# Allegro board LED_FIN.brd (continued)
## Nets (continued)
ROW_OUT_B10: D5371.3(ANODE) D5372.3(ANODE) D5373.3(ANODE) D5374.3(ANODE) D5375.3(ANODE) D5376.3(ANODE) D5377.3(ANODE) D5378.3(ANODE) D5379.3(ANODE) D5380.3(ANODE) D5381.3(ANODE) D5382.3(ANODE) D5383.3(ANODE) D5384.3(ANODE) D5385.3(ANODE) D5386.3(ANODE) D5387.3(ANODE) D5388.3(ANODE) D5389.3(ANODE) D5390.3(ANODE) D5391.3(ANODE) D5392.3(ANODE) D5393.3(ANODE) D5394.3(ANODE) D5395.3(ANODE) D5396.3(ANODE) D5397.3(ANODE) D5398.3(ANODE) D5399.3(ANODE) D5400.3(ANODE) D6511.3(ANODE) D6512.3(ANODE) D6513.3(ANODE) D6514.3(ANODE) D6515.3(ANODE) D6516.3(ANODE) D6517.3(ANODE) D6518.3(ANODE) D6519.3(ANODE) D6520.3(ANODE) D6521.3(ANODE) D6522.3(ANODE) D6523.3(ANODE) D6524.3(ANODE) D6525.3(ANODE) D6526.3(ANODE) D6527.3(ANODE) D6528.3(ANODE) D6529.3(ANODE) D6530.3(ANODE) D6531.3(ANODE) D6532.3(ANODE) D6533.3(ANODE) D6534.3(ANODE) D6535.3(ANODE) D6536.3(ANODE) D6537.3(ANODE) D6538.3(ANODE) D6539.3(ANODE) D6540.3(ANODE) D7651.3(ANODE) D7652.3(ANODE) D7653.3(ANODE) D7654.3(ANODE) D7655.3(ANODE) D7656.3(ANODE) D7657.3(ANODE) D7658.3(ANODE) D7659.3(ANODE) D7660.3(ANODE) D7661.3(ANODE) D7662.3(ANODE) D7663.3(ANODE) D7664.3(ANODE) D7665.3(ANODE) D7666.3(ANODE) D7667.3(ANODE) D7668.3(ANODE) D7669.3(ANODE) D7670.3(ANODE) D7671.3(ANODE) D7672.3(ANODE) D7673.3(ANODE) D7674.3(ANODE) D7675.3(ANODE) D7676.3(ANODE) D7677.3(ANODE) D7678.3(ANODE) D7679.3(ANODE) D7680.3(ANODE) D8791.3(ANODE) D8792.3(ANODE) D8793.3(ANODE) D8794.3(ANODE) D8795.3(ANODE) D8796.3(ANODE) D8797.3(ANODE) D8798.3(ANODE) D8799.3(ANODE) D8800.3(ANODE) D8801.3(ANODE) D8802.3(ANODE) D8803.3(ANODE) D8804.3(ANODE) D8805.3(ANODE) D8806.3(ANODE) D8807.3(ANODE) D8808.3(ANODE) D8809.3(ANODE) D8810.3(ANODE) D8811.3(ANODE) D8812.3(ANODE) D8813.3(ANODE) D8814.3(ANODE) D8815.3(ANODE) D8816.3(ANODE) D8817.3(ANODE) D8818.3(ANODE) D8819.3(ANODE) D8820.3(ANODE) U66.1(DRAIN)
ROW_OUT_B11: D5341.3(ANODE) D5342.3(ANODE) D5343.3(ANODE) D5344.3(ANODE) D5345.3(ANODE) D5346.3(ANODE) D5347.3(ANODE) D5348.3(ANODE) D5349.3(ANODE) D5350.3(ANODE) D5351.3(ANODE) D5352.3(ANODE) D5353.3(ANODE) D5354.3(ANODE) D5355.3(ANODE) D5356.3(ANODE) D5357.3(ANODE) D5358.3(ANODE) D5359.3(ANODE) D5360.3(ANODE) D5361.3(ANODE) D5362.3(ANODE) D5363.3(ANODE) D5364.3(ANODE) D5365.3(ANODE) D5366.3(ANODE) D5367.3(ANODE) D5368.3(ANODE) D5369.3(ANODE) D5370.3(ANODE) D6481.3(ANODE) D6482.3(ANODE) D6483.3(ANODE) D6484.3(ANODE) D6485.3(ANODE) D6486.3(ANODE) D6487.3(ANODE) D6488.3(ANODE) D6489.3(ANODE) D6490.3(ANODE) D6491.3(ANODE) D6492.3(ANODE) D6493.3(ANODE) D6494.3(ANODE) D6495.3(ANODE) D6496.3(ANODE) D6497.3(ANODE) D6498.3(ANODE) D6499.3(ANODE) D6500.3(ANODE) D6501.3(ANODE) D6502.3(ANODE) D6503.3(ANODE) D6504.3(ANODE) D6505.3(ANODE) D6506.3(ANODE) D6507.3(ANODE) D6508.3(ANODE) D6509.3(ANODE) D6510.3(ANODE) D7621.3(ANODE) D7622.3(ANODE) D7623.3(ANODE) D7624.3(ANODE) D7625.3(ANODE) D7626.3(ANODE) D7627.3(ANODE) D7628.3(ANODE) D7629.3(ANODE) D7630.3(ANODE) D7631.3(ANODE) D7632.3(ANODE) D7633.3(ANODE) D7634.3(ANODE) D7635.3(ANODE) D7636.3(ANODE) D7637.3(ANODE) D7638.3(ANODE) D7639.3(ANODE) D7640.3(ANODE) D7641.3(ANODE) D7642.3(ANODE) D7643.3(ANODE) D7644.3(ANODE) D7645.3(ANODE) D7646.3(ANODE) D7647.3(ANODE) D7648.3(ANODE) D7649.3(ANODE) D7650.3(ANODE) D8761.3(ANODE) D8762.3(ANODE) D8763.3(ANODE) D8764.3(ANODE) D8765.3(ANODE) D8766.3(ANODE) D8767.3(ANODE) D8768.3(ANODE) D8769.3(ANODE) D8770.3(ANODE) D8771.3(ANODE) D8772.3(ANODE) D8773.3(ANODE) D8774.3(ANODE) D8775.3(ANODE) D8776.3(ANODE) D8777.3(ANODE) D8778.3(ANODE) D8779.3(ANODE) D8780.3(ANODE) D8781.3(ANODE) D8782.3(ANODE) D8783.3(ANODE) D8784.3(ANODE) D8785.3(ANODE) D8786.3(ANODE) D8787.3(ANODE) D8788.3(ANODE) D8789.3(ANODE) D8790.3(ANODE) U65.1(DRAIN)
ROW_OUT_B12: D5311.3(ANODE) D5312.3(ANODE) D5313.3(ANODE) D5314.3(ANODE) D5315.3(ANODE) D5316.3(ANODE) D5317.3(ANODE) D5318.3(ANODE) D5319.3(ANODE) D5320.3(ANODE) D5321.3(ANODE) D5322.3(ANODE) D5323.3(ANODE) D5324.3(ANODE) D5325.3(ANODE) D5326.3(ANODE) D5327.3(ANODE) D5328.3(ANODE) D5329.3(ANODE) D5330.3(ANODE) D5331.3(ANODE) D5332.3(ANODE) D5333.3(ANODE) D5334.3(ANODE) D5335.3(ANODE) D5336.3(ANODE) D5337.3(ANODE) D5338.3(ANODE) D5339.3(ANODE) D5340.3(ANODE) D6451.3(ANODE) D6452.3(ANODE) D6453.3(ANODE) D6454.3(ANODE) D6455.3(ANODE) D6456.3(ANODE) D6457.3(ANODE) D6458.3(ANODE) D6459.3(ANODE) D6460.3(ANODE) D6461.3(ANODE) D6462.3(ANODE) D6463.3(ANODE) D6464.3(ANODE) D6465.3(ANODE) D6466.3(ANODE) D6467.3(ANODE) D6468.3(ANODE) D6469.3(ANODE) D6470.3(ANODE) D6471.3(ANODE) D6472.3(ANODE) D6473.3(ANODE) D6474.3(ANODE) D6475.3(ANODE) D6476.3(ANODE) D6477.3(ANODE) D6478.3(ANODE) D6479.3(ANODE) D6480.3(ANODE) D7591.3(ANODE) D7592.3(ANODE) D7593.3(ANODE) D7594.3(ANODE) D7595.3(ANODE) D7596.3(ANODE) D7597.3(ANODE) D7598.3(ANODE) D7599.3(ANODE) D7600.3(ANODE) D7601.3(ANODE) D7602.3(ANODE) D7603.3(ANODE) D7604.3(ANODE) D7605.3(ANODE) D7606.3(ANODE) D7607.3(ANODE) D7608.3(ANODE) D7609.3(ANODE) D7610.3(ANODE) D7611.3(ANODE) D7612.3(ANODE) D7613.3(ANODE) D7614.3(ANODE) D7615.3(ANODE) D7616.3(ANODE) D7617.3(ANODE) D7618.3(ANODE) D7619.3(ANODE) D7620.3(ANODE) D8731.3(ANODE) D8732.3(ANODE) D8733.3(ANODE) D8734.3(ANODE) D8735.3(ANODE) D8736.3(ANODE) D8737.3(ANODE) D8738.3(ANODE) D8739.3(ANODE) D8740.3(ANODE) D8741.3(ANODE) D8742.3(ANODE) D8743.3(ANODE) D8744.3(ANODE) D8745.3(ANODE) D8746.3(ANODE) D8747.3(ANODE) D8748.3(ANODE) D8749.3(ANODE) D8750.3(ANODE) D8751.3(ANODE) D8752.3(ANODE) D8753.3(ANODE) D8754.3(ANODE) D8755.3(ANODE) D8756.3(ANODE) D8757.3(ANODE) D8758.3(ANODE) D8759.3(ANODE) D8760.3(ANODE) U64.1(DRAIN)
ROW_OUT_B13: D5281.3(ANODE) D5282.3(ANODE) D5283.3(ANODE) D5284.3(ANODE) D5285.3(ANODE) D5286.3(ANODE) D5287.3(ANODE) D5288.3(ANODE) D5289.3(ANODE) D5290.3(ANODE) D5291.3(ANODE) D5292.3(ANODE) D5293.3(ANODE) D5294.3(ANODE) D5295.3(ANODE) D5296.3(ANODE) D5297.3(ANODE) D5298.3(ANODE) D5299.3(ANODE) D5300.3(ANODE) D5301.3(ANODE) D5302.3(ANODE) D5303.3(ANODE) D5304.3(ANODE) D5305.3(ANODE) D5306.3(ANODE) D5307.3(ANODE) D5308.3(ANODE) D5309.3(ANODE) D5310.3(ANODE) D6421.3(ANODE) D6422.3(ANODE) D6423.3(ANODE) D6424.3(ANODE) D6425.3(ANODE) D6426.3(ANODE) D6427.3(ANODE) D6428.3(ANODE) D6429.3(ANODE) D6430.3(ANODE) D6431.3(ANODE) D6432.3(ANODE) D6433.3(ANODE) D6434.3(ANODE) D6435.3(ANODE) D6436.3(ANODE) D6437.3(ANODE) D6438.3(ANODE) D6439.3(ANODE) D6440.3(ANODE) D6441.3(ANODE) D6442.3(ANODE) D6443.3(ANODE) D6444.3(ANODE) D6445.3(ANODE) D6446.3(ANODE) D6447.3(ANODE) D6448.3(ANODE) D6449.3(ANODE) D6450.3(ANODE) D7561.3(ANODE) D7562.3(ANODE) D7563.3(ANODE) D7564.3(ANODE) D7565.3(ANODE) D7566.3(ANODE) D7567.3(ANODE) D7568.3(ANODE) D7569.3(ANODE) D7570.3(ANODE) D7571.3(ANODE) D7572.3(ANODE) D7573.3(ANODE) D7574.3(ANODE) D7575.3(ANODE) D7576.3(ANODE) D7577.3(ANODE) D7578.3(ANODE) D7579.3(ANODE) D7580.3(ANODE) D7581.3(ANODE) D7582.3(ANODE) D7583.3(ANODE) D7584.3(ANODE) D7585.3(ANODE) D7586.3(ANODE) D7587.3(ANODE) D7588.3(ANODE) D7589.3(ANODE) D7590.3(ANODE) D8701.3(ANODE) D8702.3(ANODE) D8703.3(ANODE) D8704.3(ANODE) D8705.3(ANODE) D8706.3(ANODE) D8707.3(ANODE) D8708.3(ANODE) D8709.3(ANODE) D8710.3(ANODE) D8711.3(ANODE) D8712.3(ANODE) D8713.3(ANODE) D8714.3(ANODE) D8715.3(ANODE) D8716.3(ANODE) D8717.3(ANODE) D8718.3(ANODE) D8719.3(ANODE) D8720.3(ANODE) D8721.3(ANODE) D8722.3(ANODE) D8723.3(ANODE) D8724.3(ANODE) D8725.3(ANODE) D8726.3(ANODE) D8727.3(ANODE) D8728.3(ANODE) D8729.3(ANODE) D8730.3(ANODE) U63.1(DRAIN)
ROW_OUT_B14: D5251.3(ANODE) D5252.3(ANODE) D5253.3(ANODE) D5254.3(ANODE) D5255.3(ANODE) D5256.3(ANODE) D5257.3(ANODE) D5258.3(ANODE) D5259.3(ANODE) D5260.3(ANODE) D5261.3(ANODE) D5262.3(ANODE) D5263.3(ANODE) D5264.3(ANODE) D5265.3(ANODE) D5266.3(ANODE) D5267.3(ANODE) D5268.3(ANODE) D5269.3(ANODE) D5270.3(ANODE) D5271.3(ANODE) D5272.3(ANODE) D5273.3(ANODE) D5274.3(ANODE) D5275.3(ANODE) D5276.3(ANODE) D5277.3(ANODE) D5278.3(ANODE) D5279.3(ANODE) D5280.3(ANODE) D6391.3(ANODE) D6392.3(ANODE) D6393.3(ANODE) D6394.3(ANODE) D6395.3(ANODE) D6396.3(ANODE) D6397.3(ANODE) D6398.3(ANODE) D6399.3(ANODE) D6400.3(ANODE) D6401.3(ANODE) D6402.3(ANODE) D6403.3(ANODE) D6404.3(ANODE) D6405.3(ANODE) D6406.3(ANODE) D6407.3(ANODE) D6408.3(ANODE) D6409.3(ANODE) D6410.3(ANODE) D6411.3(ANODE) D6412.3(ANODE) D6413.3(ANODE) D6414.3(ANODE) D6415.3(ANODE) D6416.3(ANODE) D6417.3(ANODE) D6418.3(ANODE) D6419.3(ANODE) D6420.3(ANODE) D7531.3(ANODE) D7532.3(ANODE) D7533.3(ANODE) D7534.3(ANODE) D7535.3(ANODE) D7536.3(ANODE) D7537.3(ANODE) D7538.3(ANODE) D7539.3(ANODE) D7540.3(ANODE) D7541.3(ANODE) D7542.3(ANODE) D7543.3(ANODE) D7544.3(ANODE) D7545.3(ANODE) D7546.3(ANODE) D7547.3(ANODE) D7548.3(ANODE) D7549.3(ANODE) D7550.3(ANODE) D7551.3(ANODE) D7552.3(ANODE) D7553.3(ANODE) D7554.3(ANODE) D7555.3(ANODE) D7556.3(ANODE) D7557.3(ANODE) D7558.3(ANODE) D7559.3(ANODE) D7560.3(ANODE) D8671.3(ANODE) D8672.3(ANODE) D8673.3(ANODE) D8674.3(ANODE) D8675.3(ANODE) D8676.3(ANODE) D8677.3(ANODE) D8678.3(ANODE) D8679.3(ANODE) D8680.3(ANODE) D8681.3(ANODE) D8682.3(ANODE) D8683.3(ANODE) D8684.3(ANODE) D8685.3(ANODE) D8686.3(ANODE) D8687.3(ANODE) D8688.3(ANODE) D8689.3(ANODE) D8690.3(ANODE) D8691.3(ANODE) D8692.3(ANODE) D8693.3(ANODE) D8694.3(ANODE) D8695.3(ANODE) D8696.3(ANODE) D8697.3(ANODE) D8698.3(ANODE) D8699.3(ANODE) D8700.3(ANODE) U62.1(DRAIN)
ROW_OUT_B15: D5221.3(ANODE) D5222.3(ANODE) D5223.3(ANODE) D5224.3(ANODE) D5225.3(ANODE) D5226.3(ANODE) D5227.3(ANODE) D5228.3(ANODE) D5229.3(ANODE) D5230.3(ANODE) D5231.3(ANODE) D5232.3(ANODE) D5233.3(ANODE) D5234.3(ANODE) D5235.3(ANODE) D5236.3(ANODE) D5237.3(ANODE) D5238.3(ANODE) D5239.3(ANODE) D5240.3(ANODE) D5241.3(ANODE) D5242.3(ANODE) D5243.3(ANODE) D5244.3(ANODE) D5245.3(ANODE) D5246.3(ANODE) D5247.3(ANODE) D5248.3(ANODE) D5249.3(ANODE) D5250.3(ANODE) D6361.3(ANODE) D6362.3(ANODE) D6363.3(ANODE) D6364.3(ANODE) D6365.3(ANODE) D6366.3(ANODE) D6367.3(ANODE) D6368.3(ANODE) D6369.3(ANODE) D6370.3(ANODE) D6371.3(ANODE) D6372.3(ANODE) D6373.3(ANODE) D6374.3(ANODE) D6375.3(ANODE) D6376.3(ANODE) D6377.3(ANODE) D6378.3(ANODE) D6379.3(ANODE) D6380.3(ANODE) D6381.3(ANODE) D6382.3(ANODE) D6383.3(ANODE) D6384.3(ANODE) D6385.3(ANODE) D6386.3(ANODE) D6387.3(ANODE) D6388.3(ANODE) D6389.3(ANODE) D6390.3(ANODE) D7501.3(ANODE) D7502.3(ANODE) D7503.3(ANODE) D7504.3(ANODE) D7505.3(ANODE) D7506.3(ANODE) D7507.3(ANODE) D7508.3(ANODE) D7509.3(ANODE) D7510.3(ANODE) D7511.3(ANODE) D7512.3(ANODE) D7513.3(ANODE) D7514.3(ANODE) D7515.3(ANODE) D7516.3(ANODE) D7517.3(ANODE) D7518.3(ANODE) D7519.3(ANODE) D7520.3(ANODE) D7521.3(ANODE) D7522.3(ANODE) D7523.3(ANODE) D7524.3(ANODE) D7525.3(ANODE) D7526.3(ANODE) D7527.3(ANODE) D7528.3(ANODE) D7529.3(ANODE) D7530.3(ANODE) D8641.3(ANODE) D8642.3(ANODE) D8643.3(ANODE) D8644.3(ANODE) D8645.3(ANODE) D8646.3(ANODE) D8647.3(ANODE) D8648.3(ANODE) D8649.3(ANODE) D8650.3(ANODE) D8651.3(ANODE) D8652.3(ANODE) D8653.3(ANODE) D8654.3(ANODE) D8655.3(ANODE) D8656.3(ANODE) D8657.3(ANODE) D8658.3(ANODE) D8659.3(ANODE) D8660.3(ANODE) D8661.3(ANODE) D8662.3(ANODE) D8663.3(ANODE) D8664.3(ANODE) D8665.3(ANODE) D8666.3(ANODE) D8667.3(ANODE) D8668.3(ANODE) D8669.3(ANODE) D8670.3(ANODE) U61.1(DRAIN)
ROW_OUT_B16: D5191.3(ANODE) D5192.3(ANODE) D5193.3(ANODE) D5194.3(ANODE) D5195.3(ANODE) D5196.3(ANODE) D5197.3(ANODE) D5198.3(ANODE) D5199.3(ANODE) D5200.3(ANODE) D5201.3(ANODE) D5202.3(ANODE) D5203.3(ANODE) D5204.3(ANODE) D5205.3(ANODE) D5206.3(ANODE) D5207.3(ANODE) D5208.3(ANODE) D5209.3(ANODE) D5210.3(ANODE) D5211.3(ANODE) D5212.3(ANODE) D5213.3(ANODE) D5214.3(ANODE) D5215.3(ANODE) D5216.3(ANODE) D5217.3(ANODE) D5218.3(ANODE) D5219.3(ANODE) D5220.3(ANODE) D6331.3(ANODE) D6332.3(ANODE) D6333.3(ANODE) D6334.3(ANODE) D6335.3(ANODE) D6336.3(ANODE) D6337.3(ANODE) D6338.3(ANODE) D6339.3(ANODE) D6340.3(ANODE) D6341.3(ANODE) D6342.3(ANODE) D6343.3(ANODE) D6344.3(ANODE) D6345.3(ANODE) D6346.3(ANODE) D6347.3(ANODE) D6348.3(ANODE) D6349.3(ANODE) D6350.3(ANODE) D6351.3(ANODE) D6352.3(ANODE) D6353.3(ANODE) D6354.3(ANODE) D6355.3(ANODE) D6356.3(ANODE) D6357.3(ANODE) D6358.3(ANODE) D6359.3(ANODE) D6360.3(ANODE) D7471.3(ANODE) D7472.3(ANODE) D7473.3(ANODE) D7474.3(ANODE) D7475.3(ANODE) D7476.3(ANODE) D7477.3(ANODE) D7478.3(ANODE) D7479.3(ANODE) D7480.3(ANODE) D7481.3(ANODE) D7482.3(ANODE) D7483.3(ANODE) D7484.3(ANODE) D7485.3(ANODE) D7486.3(ANODE) D7487.3(ANODE) D7488.3(ANODE) D7489.3(ANODE) D7490.3(ANODE) D7491.3(ANODE) D7492.3(ANODE) D7493.3(ANODE) D7494.3(ANODE) D7495.3(ANODE) D7496.3(ANODE) D7497.3(ANODE) D7498.3(ANODE) D7499.3(ANODE) D7500.3(ANODE) D8611.3(ANODE) D8612.3(ANODE) D8613.3(ANODE) D8614.3(ANODE) D8615.3(ANODE) D8616.3(ANODE) D8617.3(ANODE) D8618.3(ANODE) D8619.3(ANODE) D8620.3(ANODE) D8621.3(ANODE) D8622.3(ANODE) D8623.3(ANODE) D8624.3(ANODE) D8625.3(ANODE) D8626.3(ANODE) D8627.3(ANODE) D8628.3(ANODE) D8629.3(ANODE) D8630.3(ANODE) D8631.3(ANODE) D8632.3(ANODE) D8633.3(ANODE) D8634.3(ANODE) D8635.3(ANODE) D8636.3(ANODE) D8637.3(ANODE) D8638.3(ANODE) D8639.3(ANODE) D8640.3(ANODE) U60.1(DRAIN)
ROW_OUT_B17: D5161.3(ANODE) D5162.3(ANODE) D5163.3(ANODE) D5164.3(ANODE) D5165.3(ANODE) D5166.3(ANODE) D5167.3(ANODE) D5168.3(ANODE) D5169.3(ANODE) D5170.3(ANODE) D5171.3(ANODE) D5172.3(ANODE) D5173.3(ANODE) D5174.3(ANODE) D5175.3(ANODE) D5176.3(ANODE) D5177.3(ANODE) D5178.3(ANODE) D5179.3(ANODE) D5180.3(ANODE) D5181.3(ANODE) D5182.3(ANODE) D5183.3(ANODE) D5184.3(ANODE) D5185.3(ANODE) D5186.3(ANODE) D5187.3(ANODE) D5188.3(ANODE) D5189.3(ANODE) D5190.3(ANODE) D6301.3(ANODE) D6302.3(ANODE) D6303.3(ANODE) D6304.3(ANODE) D6305.3(ANODE) D6306.3(ANODE) D6307.3(ANODE) D6308.3(ANODE) D6309.3(ANODE) D6310.3(ANODE) D6311.3(ANODE) D6312.3(ANODE) D6313.3(ANODE) D6314.3(ANODE) D6315.3(ANODE) D6316.3(ANODE) D6317.3(ANODE) D6318.3(ANODE) D6319.3(ANODE) D6320.3(ANODE) D6321.3(ANODE) D6322.3(ANODE) D6323.3(ANODE) D6324.3(ANODE) D6325.3(ANODE) D6326.3(ANODE) D6327.3(ANODE) D6328.3(ANODE) D6329.3(ANODE) D6330.3(ANODE) D7441.3(ANODE) D7442.3(ANODE) D7443.3(ANODE) D7444.3(ANODE) D7445.3(ANODE) D7446.3(ANODE) D7447.3(ANODE) D7448.3(ANODE) D7449.3(ANODE) D7450.3(ANODE) D7451.3(ANODE) D7452.3(ANODE) D7453.3(ANODE) D7454.3(ANODE) D7455.3(ANODE) D7456.3(ANODE) D7457.3(ANODE) D7458.3(ANODE) D7459.3(ANODE) D7460.3(ANODE) D7461.3(ANODE) D7462.3(ANODE) D7463.3(ANODE) D7464.3(ANODE) D7465.3(ANODE) D7466.3(ANODE) D7467.3(ANODE) D7468.3(ANODE) D7469.3(ANODE) D7470.3(ANODE) D8581.3(ANODE) D8582.3(ANODE) D8583.3(ANODE) D8584.3(ANODE) D8585.3(ANODE) D8586.3(ANODE) D8587.3(ANODE) D8588.3(ANODE) D8589.3(ANODE) D8590.3(ANODE) D8591.3(ANODE) D8592.3(ANODE) D8593.3(ANODE) D8594.3(ANODE) D8595.3(ANODE) D8596.3(ANODE) D8597.3(ANODE) D8598.3(ANODE) D8599.3(ANODE) D8600.3(ANODE) D8601.3(ANODE) D8602.3(ANODE) D8603.3(ANODE) D8604.3(ANODE) D8605.3(ANODE) D8606.3(ANODE) D8607.3(ANODE) D8608.3(ANODE) D8609.3(ANODE) D8610.3(ANODE) U59.1(DRAIN)
ROW_OUT_B18: D5131.3(ANODE) D5132.3(ANODE) D5133.3(ANODE) D5134.3(ANODE) D5135.3(ANODE) D5136.3(ANODE) D5137.3(ANODE) D5138.3(ANODE) D5139.3(ANODE) D5140.3(ANODE) D5141.3(ANODE) D5142.3(ANODE) D5143.3(ANODE) D5144.3(ANODE) D5145.3(ANODE) D5146.3(ANODE) D5147.3(ANODE) D5148.3(ANODE) D5149.3(ANODE) D5150.3(ANODE) D5151.3(ANODE) D5152.3(ANODE) D5153.3(ANODE) D5154.3(ANODE) D5155.3(ANODE) D5156.3(ANODE) D5157.3(ANODE) D5158.3(ANODE) D5159.3(ANODE) D5160.3(ANODE) D6271.3(ANODE) D6272.3(ANODE) D6273.3(ANODE) D6274.3(ANODE) D6275.3(ANODE) D6276.3(ANODE) D6277.3(ANODE) D6278.3(ANODE) D6279.3(ANODE) D6280.3(ANODE) D6281.3(ANODE) D6282.3(ANODE) D6283.3(ANODE) D6284.3(ANODE) D6285.3(ANODE) D6286.3(ANODE) D6287.3(ANODE) D6288.3(ANODE) D6289.3(ANODE) D6290.3(ANODE) D6291.3(ANODE) D6292.3(ANODE) D6293.3(ANODE) D6294.3(ANODE) D6295.3(ANODE) D6296.3(ANODE) D6297.3(ANODE) D6298.3(ANODE) D6299.3(ANODE) D6300.3(ANODE) D7411.3(ANODE) D7412.3(ANODE) D7413.3(ANODE) D7414.3(ANODE) D7415.3(ANODE) D7416.3(ANODE) D7417.3(ANODE) D7418.3(ANODE) D7419.3(ANODE) D7420.3(ANODE) D7421.3(ANODE) D7422.3(ANODE) D7423.3(ANODE) D7424.3(ANODE) D7425.3(ANODE) D7426.3(ANODE) D7427.3(ANODE) D7428.3(ANODE) D7429.3(ANODE) D7430.3(ANODE) D7431.3(ANODE) D7432.3(ANODE) D7433.3(ANODE) D7434.3(ANODE) D7435.3(ANODE) D7436.3(ANODE) D7437.3(ANODE) D7438.3(ANODE) D7439.3(ANODE) D7440.3(ANODE) D8551.3(ANODE) D8552.3(ANODE) D8553.3(ANODE) D8554.3(ANODE) D8555.3(ANODE) D8556.3(ANODE) D8557.3(ANODE) D8558.3(ANODE) D8559.3(ANODE) D8560.3(ANODE) D8561.3(ANODE) D8562.3(ANODE) D8563.3(ANODE) D8564.3(ANODE) D8565.3(ANODE) D8566.3(ANODE) D8567.3(ANODE) D8568.3(ANODE) D8569.3(ANODE) D8570.3(ANODE) D8571.3(ANODE) D8572.3(ANODE) D8573.3(ANODE) D8574.3(ANODE) D8575.3(ANODE) D8576.3(ANODE) D8577.3(ANODE) D8578.3(ANODE) D8579.3(ANODE) D8580.3(ANODE) U58.1(DRAIN)
ROW_OUT_B19: D5101.3(ANODE) D5102.3(ANODE) D5103.3(ANODE) D5104.3(ANODE) D5105.3(ANODE) D5106.3(ANODE) D5107.3(ANODE) D5108.3(ANODE) D5109.3(ANODE) D5110.3(ANODE) D5111.3(ANODE) D5112.3(ANODE) D5113.3(ANODE) D5114.3(ANODE) D5115.3(ANODE) D5116.3(ANODE) D5117.3(ANODE) D5118.3(ANODE) D5119.3(ANODE) D5120.3(ANODE) D5121.3(ANODE) D5122.3(ANODE) D5123.3(ANODE) D5124.3(ANODE) D5125.3(ANODE) D5126.3(ANODE) D5127.3(ANODE) D5128.3(ANODE) D5129.3(ANODE) D5130.3(ANODE) D6241.3(ANODE) D6242.3(ANODE) D6243.3(ANODE) D6244.3(ANODE) D6245.3(ANODE) D6246.3(ANODE) D6247.3(ANODE) D6248.3(ANODE) D6249.3(ANODE) D6250.3(ANODE) D6251.3(ANODE) D6252.3(ANODE) D6253.3(ANODE) D6254.3(ANODE) D6255.3(ANODE) D6256.3(ANODE) D6257.3(ANODE) D6258.3(ANODE) D6259.3(ANODE) D6260.3(ANODE) D6261.3(ANODE) D6262.3(ANODE) D6263.3(ANODE) D6264.3(ANODE) D6265.3(ANODE) D6266.3(ANODE) D6267.3(ANODE) D6268.3(ANODE) D6269.3(ANODE) D6270.3(ANODE) D7381.3(ANODE) D7382.3(ANODE) D7383.3(ANODE) D7384.3(ANODE) D7385.3(ANODE) D7386.3(ANODE) D7387.3(ANODE) D7388.3(ANODE) D7389.3(ANODE) D7390.3(ANODE) D7391.3(ANODE) D7392.3(ANODE) D7393.3(ANODE) D7394.3(ANODE) D7395.3(ANODE) D7396.3(ANODE) D7397.3(ANODE) D7398.3(ANODE) D7399.3(ANODE) D7400.3(ANODE) D7401.3(ANODE) D7402.3(ANODE) D7403.3(ANODE) D7404.3(ANODE) D7405.3(ANODE) D7406.3(ANODE) D7407.3(ANODE) D7408.3(ANODE) D7409.3(ANODE) D7410.3(ANODE) D8521.3(ANODE) D8522.3(ANODE) D8523.3(ANODE) D8524.3(ANODE) D8525.3(ANODE) D8526.3(ANODE) D8527.3(ANODE) D8528.3(ANODE) D8529.3(ANODE) D8530.3(ANODE) D8531.3(ANODE) D8532.3(ANODE) D8533.3(ANODE) D8534.3(ANODE) D8535.3(ANODE) D8536.3(ANODE) D8537.3(ANODE) D8538.3(ANODE) D8539.3(ANODE) D8540.3(ANODE) D8541.3(ANODE) D8542.3(ANODE) D8543.3(ANODE) D8544.3(ANODE) D8545.3(ANODE) D8546.3(ANODE) D8547.3(ANODE) D8548.3(ANODE) D8549.3(ANODE) D8550.3(ANODE) U57.1(DRAIN)
ROW_OUT_B20: D5071.3(ANODE) D5072.3(ANODE) D5073.3(ANODE) D5074.3(ANODE) D5075.3(ANODE) D5076.3(ANODE) D5077.3(ANODE) D5078.3(ANODE) D5079.3(ANODE) D5080.3(ANODE) D5081.3(ANODE) D5082.3(ANODE) D5083.3(ANODE) D5084.3(ANODE) D5085.3(ANODE) D5086.3(ANODE) D5087.3(ANODE) D5088.3(ANODE) D5089.3(ANODE) D5090.3(ANODE) D5091.3(ANODE) D5092.3(ANODE) D5093.3(ANODE) D5094.3(ANODE) D5095.3(ANODE) D5096.3(ANODE) D5097.3(ANODE) D5098.3(ANODE) D5099.3(ANODE) D5100.3(ANODE) D6211.3(ANODE) D6212.3(ANODE) D6213.3(ANODE) D6214.3(ANODE) D6215.3(ANODE) D6216.3(ANODE) D6217.3(ANODE) D6218.3(ANODE) D6219.3(ANODE) D6220.3(ANODE) D6221.3(ANODE) D6222.3(ANODE) D6223.3(ANODE) D6224.3(ANODE) D6225.3(ANODE) D6226.3(ANODE) D6227.3(ANODE) D6228.3(ANODE) D6229.3(ANODE) D6230.3(ANODE) D6231.3(ANODE) D6232.3(ANODE) D6233.3(ANODE) D6234.3(ANODE) D6235.3(ANODE) D6236.3(ANODE) D6237.3(ANODE) D6238.3(ANODE) D6239.3(ANODE) D6240.3(ANODE) D7351.3(ANODE) D7352.3(ANODE) D7353.3(ANODE) D7354.3(ANODE) D7355.3(ANODE) D7356.3(ANODE) D7357.3(ANODE) D7358.3(ANODE) D7359.3(ANODE) D7360.3(ANODE) D7361.3(ANODE) D7362.3(ANODE) D7363.3(ANODE) D7364.3(ANODE) D7365.3(ANODE) D7366.3(ANODE) D7367.3(ANODE) D7368.3(ANODE) D7369.3(ANODE) D7370.3(ANODE) D7371.3(ANODE) D7372.3(ANODE) D7373.3(ANODE) D7374.3(ANODE) D7375.3(ANODE) D7376.3(ANODE) D7377.3(ANODE) D7378.3(ANODE) D7379.3(ANODE) D7380.3(ANODE) D8491.3(ANODE) D8492.3(ANODE) D8493.3(ANODE) D8494.3(ANODE) D8495.3(ANODE) D8496.3(ANODE) D8497.3(ANODE) D8498.3(ANODE) D8499.3(ANODE) D8500.3(ANODE) D8501.3(ANODE) D8502.3(ANODE) D8503.3(ANODE) D8504.3(ANODE) D8505.3(ANODE) D8506.3(ANODE) D8507.3(ANODE) D8508.3(ANODE) D8509.3(ANODE) D8510.3(ANODE) D8511.3(ANODE) D8512.3(ANODE) D8513.3(ANODE) D8514.3(ANODE) D8515.3(ANODE) D8516.3(ANODE) D8517.3(ANODE) D8518.3(ANODE) D8519.3(ANODE) D8520.3(ANODE) U56.1(DRAIN)
ROW_OUT_B21: D5041.3(ANODE) D5042.3(ANODE) D5043.3(ANODE) D5044.3(ANODE) D5045.3(ANODE) D5046.3(ANODE) D5047.3(ANODE) D5048.3(ANODE) D5049.3(ANODE) D5050.3(ANODE) D5051.3(ANODE) D5052.3(ANODE) D5053.3(ANODE) D5054.3(ANODE) D5055.3(ANODE) D5056.3(ANODE) D5057.3(ANODE) D5058.3(ANODE) D5059.3(ANODE) D5060.3(ANODE) D5061.3(ANODE) D5062.3(ANODE) D5063.3(ANODE) D5064.3(ANODE) D5065.3(ANODE) D5066.3(ANODE) D5067.3(ANODE) D5068.3(ANODE) D5069.3(ANODE) D5070.3(ANODE) D6181.3(ANODE) D6182.3(ANODE) D6183.3(ANODE) D6184.3(ANODE) D6185.3(ANODE) D6186.3(ANODE) D6187.3(ANODE) D6188.3(ANODE) D6189.3(ANODE) D6190.3(ANODE) D6191.3(ANODE) D6192.3(ANODE) D6193.3(ANODE) D6194.3(ANODE) D6195.3(ANODE) D6196.3(ANODE) D6197.3(ANODE) D6198.3(ANODE) D6199.3(ANODE) D6200.3(ANODE) D6201.3(ANODE) D6202.3(ANODE) D6203.3(ANODE) D6204.3(ANODE) D6205.3(ANODE) D6206.3(ANODE) D6207.3(ANODE) D6208.3(ANODE) D6209.3(ANODE) D6210.3(ANODE) D7321.3(ANODE) D7322.3(ANODE) D7323.3(ANODE) D7324.3(ANODE) D7325.3(ANODE) D7326.3(ANODE) D7327.3(ANODE) D7328.3(ANODE) D7329.3(ANODE) D7330.3(ANODE) D7331.3(ANODE) D7332.3(ANODE) D7333.3(ANODE) D7334.3(ANODE) D7335.3(ANODE) D7336.3(ANODE) D7337.3(ANODE) D7338.3(ANODE) D7339.3(ANODE) D7340.3(ANODE) D7341.3(ANODE) D7342.3(ANODE) D7343.3(ANODE) D7344.3(ANODE) D7345.3(ANODE) D7346.3(ANODE) D7347.3(ANODE) D7348.3(ANODE) D7349.3(ANODE) D7350.3(ANODE) D8461.3(ANODE) D8462.3(ANODE) D8463.3(ANODE) D8464.3(ANODE) D8465.3(ANODE) D8466.3(ANODE) D8467.3(ANODE) D8468.3(ANODE) D8469.3(ANODE) D8470.3(ANODE) D8471.3(ANODE) D8472.3(ANODE) D8473.3(ANODE) D8474.3(ANODE) D8475.3(ANODE) D8476.3(ANODE) D8477.3(ANODE) D8478.3(ANODE) D8479.3(ANODE) D8480.3(ANODE) D8481.3(ANODE) D8482.3(ANODE) D8483.3(ANODE) D8484.3(ANODE) D8485.3(ANODE) D8486.3(ANODE) D8487.3(ANODE) D8488.3(ANODE) D8489.3(ANODE) D8490.3(ANODE) U55.1(DRAIN)
ROW_OUT_B22: D5011.3(ANODE) D5012.3(ANODE) D5013.3(ANODE) D5014.3(ANODE) D5015.3(ANODE) D5016.3(ANODE) D5017.3(ANODE) D5018.3(ANODE) D5019.3(ANODE) D5020.3(ANODE) D5021.3(ANODE) D5022.3(ANODE) D5023.3(ANODE) D5024.3(ANODE) D5025.3(ANODE) D5026.3(ANODE) D5027.3(ANODE) D5028.3(ANODE) D5029.3(ANODE) D5030.3(ANODE) D5031.3(ANODE) D5032.3(ANODE) D5033.3(ANODE) D5034.3(ANODE) D5035.3(ANODE) D5036.3(ANODE) D5037.3(ANODE) D5038.3(ANODE) D5039.3(ANODE) D5040.3(ANODE) D6151.3(ANODE) D6152.3(ANODE) D6153.3(ANODE) D6154.3(ANODE) D6155.3(ANODE) D6156.3(ANODE) D6157.3(ANODE) D6158.3(ANODE) D6159.3(ANODE) D6160.3(ANODE) D6161.3(ANODE) D6162.3(ANODE) D6163.3(ANODE) D6164.3(ANODE) D6165.3(ANODE) D6166.3(ANODE) D6167.3(ANODE) D6168.3(ANODE) D6169.3(ANODE) D6170.3(ANODE) D6171.3(ANODE) D6172.3(ANODE) D6173.3(ANODE) D6174.3(ANODE) D6175.3(ANODE) D6176.3(ANODE) D6177.3(ANODE) D6178.3(ANODE) D6179.3(ANODE) D6180.3(ANODE) D7291.3(ANODE) D7292.3(ANODE) D7293.3(ANODE) D7294.3(ANODE) D7295.3(ANODE) D7296.3(ANODE) D7297.3(ANODE) D7298.3(ANODE) D7299.3(ANODE) D7300.3(ANODE) D7301.3(ANODE) D7302.3(ANODE) D7303.3(ANODE) D7304.3(ANODE) D7305.3(ANODE) D7306.3(ANODE) D7307.3(ANODE) D7308.3(ANODE) D7309.3(ANODE) D7310.3(ANODE) D7311.3(ANODE) D7312.3(ANODE) D7313.3(ANODE) D7314.3(ANODE) D7315.3(ANODE) D7316.3(ANODE) D7317.3(ANODE) D7318.3(ANODE) D7319.3(ANODE) D7320.3(ANODE) D8431.3(ANODE) D8432.3(ANODE) D8433.3(ANODE) D8434.3(ANODE) D8435.3(ANODE) D8436.3(ANODE) D8437.3(ANODE) D8438.3(ANODE) D8439.3(ANODE) D8440.3(ANODE) D8441.3(ANODE) D8442.3(ANODE) D8443.3(ANODE) D8444.3(ANODE) D8445.3(ANODE) D8446.3(ANODE) D8447.3(ANODE) D8448.3(ANODE) D8449.3(ANODE) D8450.3(ANODE) D8451.3(ANODE) D8452.3(ANODE) D8453.3(ANODE) D8454.3(ANODE) D8455.3(ANODE) D8456.3(ANODE) D8457.3(ANODE) D8458.3(ANODE) D8459.3(ANODE) D8460.3(ANODE) U54.1(DRAIN)
